# Altium PCB ad2_adapter_tt_Rev1a.PcbDoc
Units mil, origin at the board's own origin, x right, y up, seen from the top; angles counter-clockwise.
Board outline 2362.2 x 2362.2 mil, 2 copper layers (Top Layer, Bottom Layer), stack 57.918 mil thick; 24 components, 29 nets, 100 pads, 80 vias.
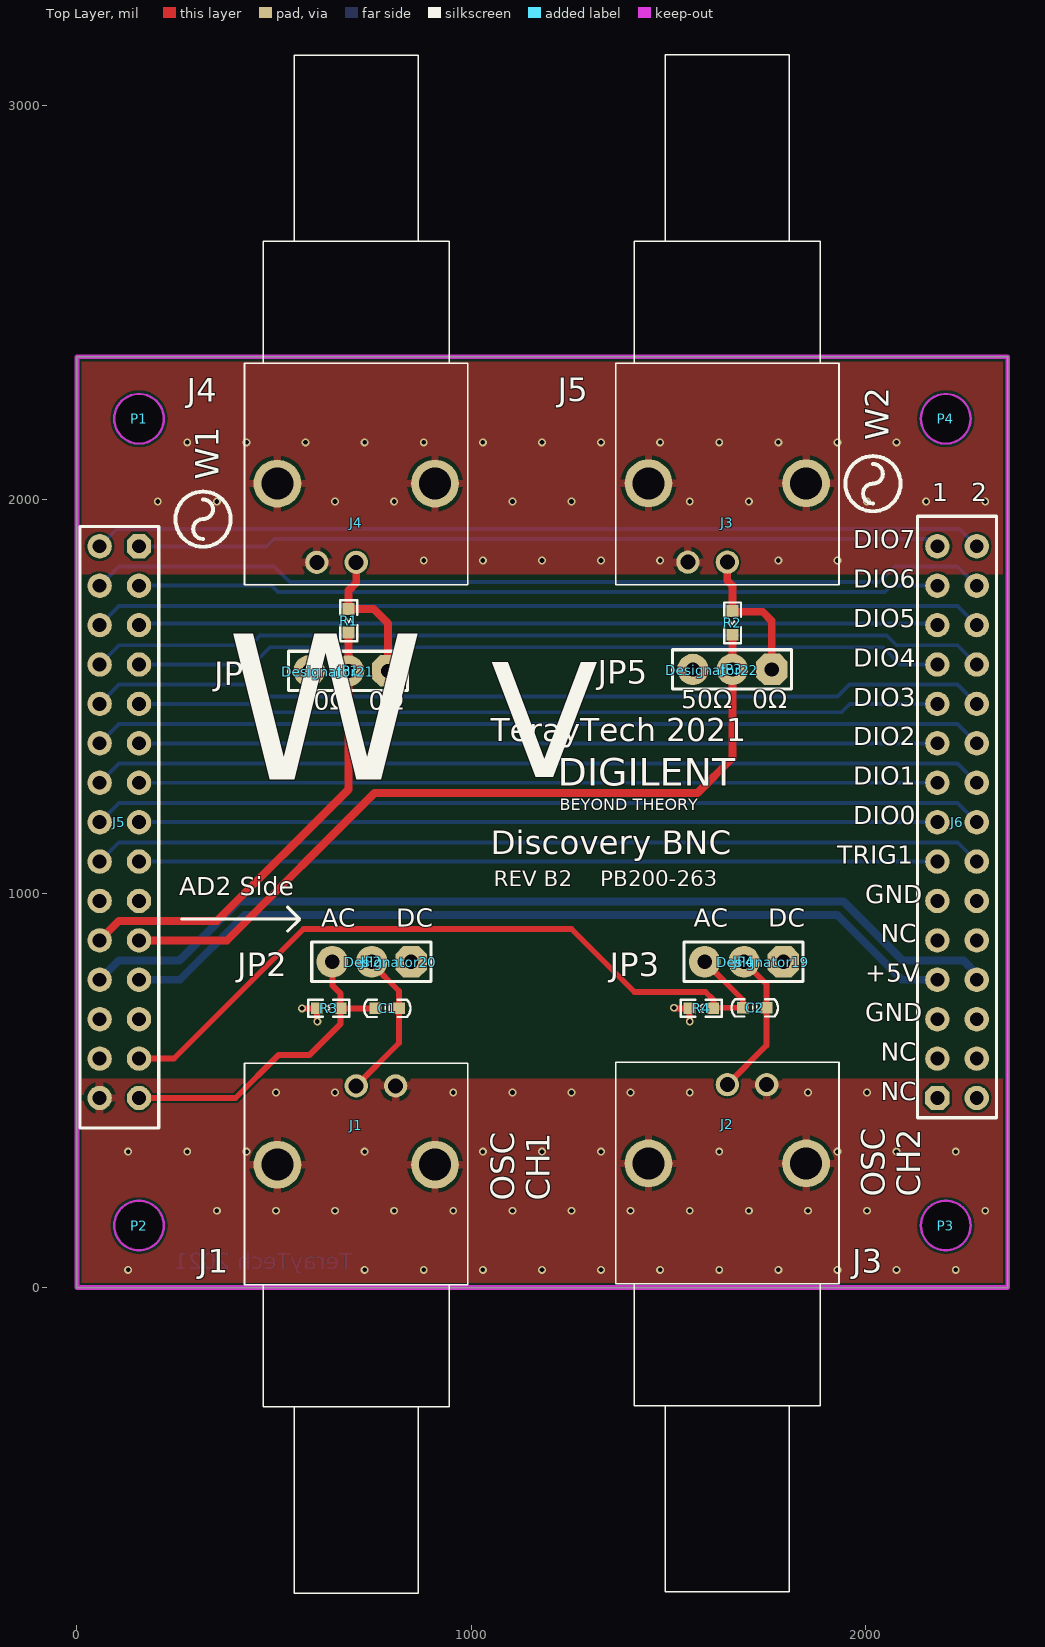
[diagram p0: Top Layer view]
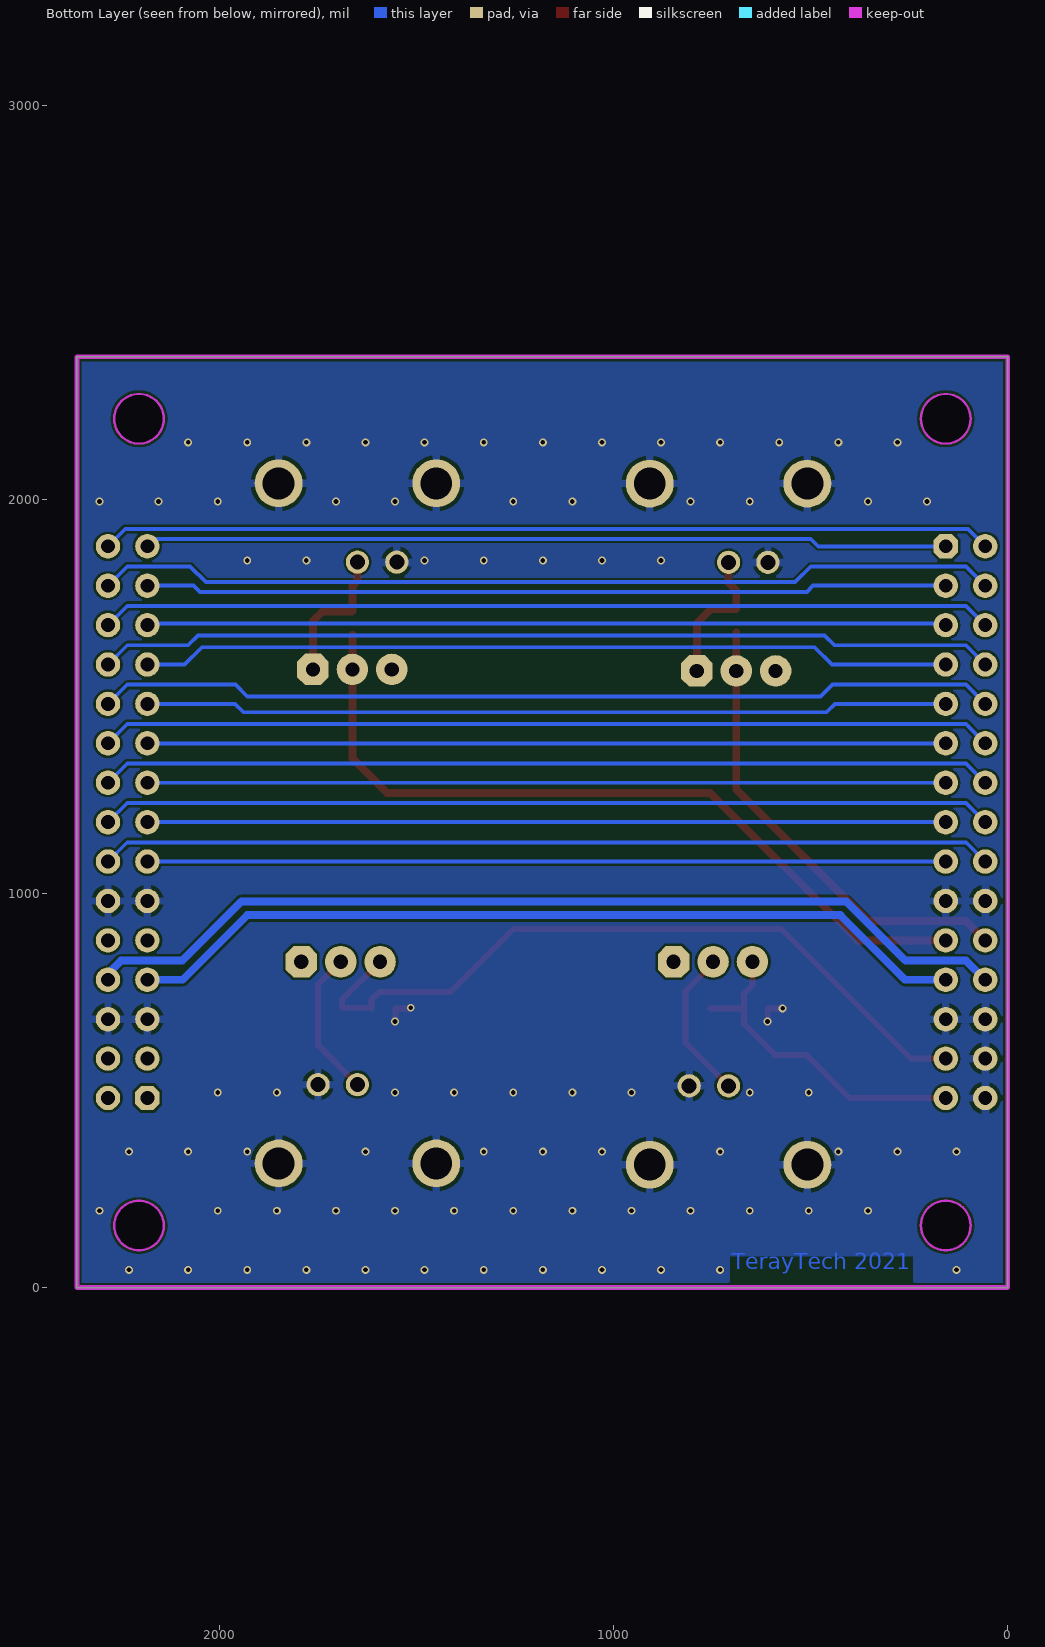
[diagram p1: Bottom Layer view, seen from below]
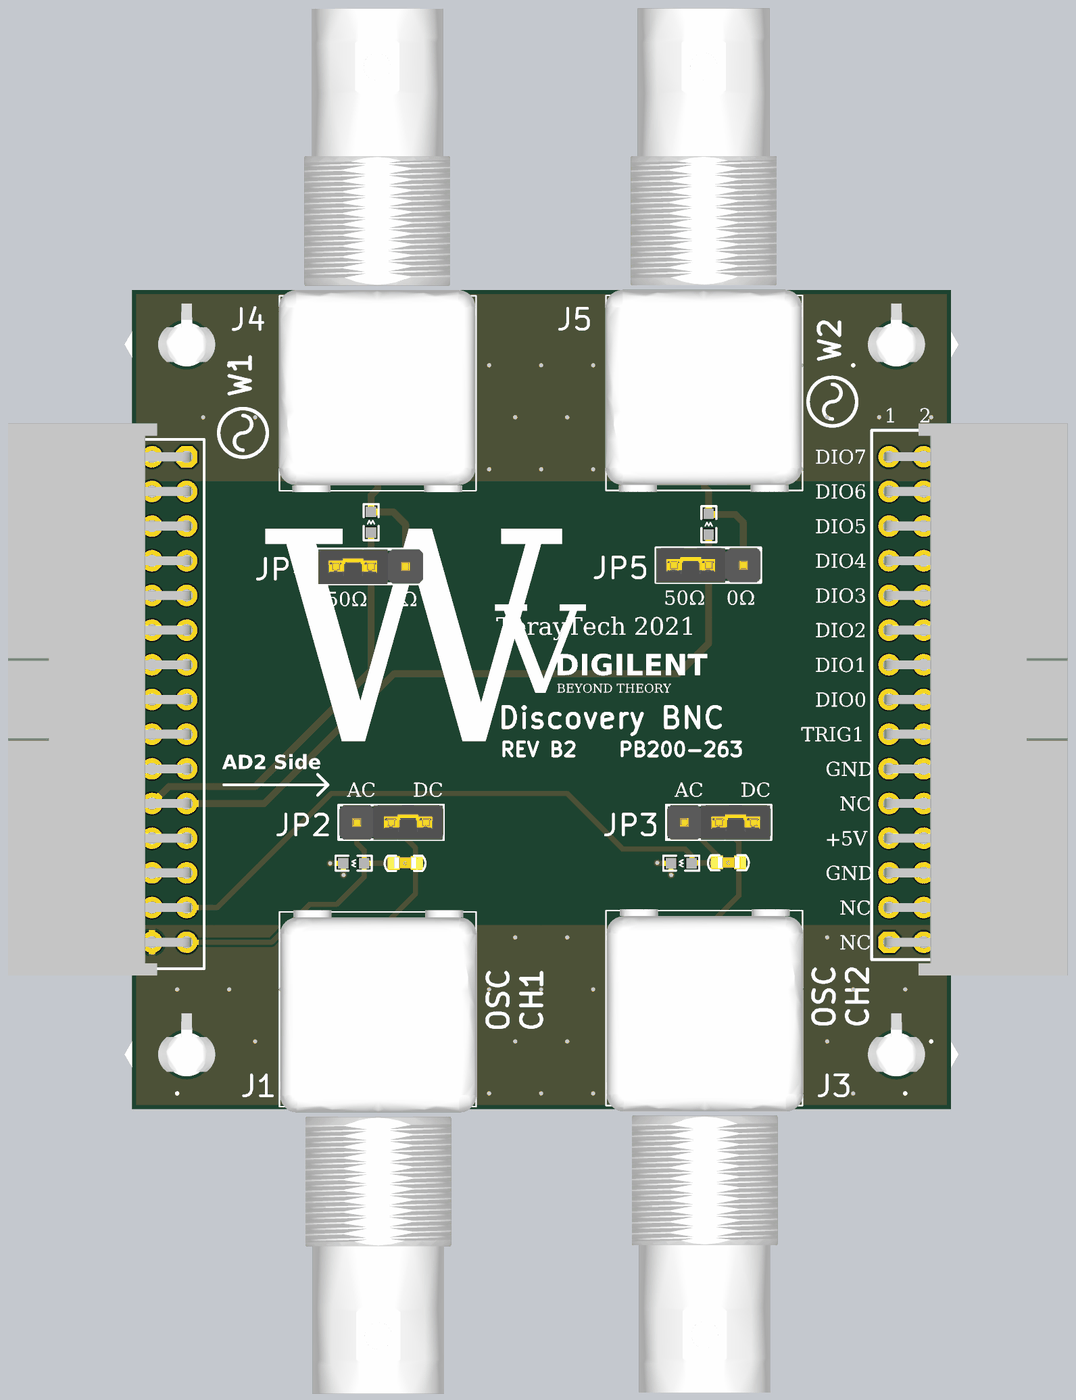
[diagram p2: 3D render of the assembled board from above, using the file's embedded part models]

## Layer stack, top to bottom
Top Solder: solder mask 0.4, Solder Resist, Dk 3.5
Top Layer: signal copper 1.4
Dielectric 1: dielectric 55.1181, FR-4, Dk 4.8
Bottom Layer: signal copper 1.4
Bottom Solder: solder mask 0.4, Solder Resist, Dk 3.5

## Board outline
0,0 0,2362.2 2362.2,2362.2 2362.2,0
cut-out: 2141.73,2204.72 ccw(c2204.72,2204.72) 2204.72,2141.73 ccw(c2204.72,2204.72) 2267.72,2204.72 ccw(c2204.72,2204.72) 2204.72,2267.72 ccw(c2204.72,2204.72)
cut-out: 2141.73,157.48 ccw(c2204.72,157.48) 2204.72,94.49 ccw(c2204.72,157.48) 2267.72,157.48 ccw(c2204.72,157.48) 2204.72,220.47 ccw(c2204.72,157.48)
cut-out: 94.49,2204.72 ccw(c157.48,2204.72) 157.48,2141.73 ccw(c157.48,2204.72) 220.47,2204.72 ccw(c157.48,2204.72) 157.48,2267.72 ccw(c157.48,2204.72)
cut-out: 94.49,157.48 ccw(c157.48,157.48) 157.48,94.49 ccw(c157.48,157.48) 220.47,157.48 ccw(c157.48,157.48) 157.48,220.47 ccw(c157.48,157.48)

## Design rules (kind name [scope] priority, off if disabled: settings)
Clearance [All] p1: gap=6 ignorepadtopadclearanceinfootprint=FALSE
ComponentClearance [All] p1 off: gap=10 collisioncheckmode=3 verticalgap=10 showdistances=FALSE
PolygonConnect via_poly [All vs Isvia] p1: connectstyle=Direct reliefconductorwidth=10 reliefentries=4 polygonreliefangle="90 Angle" airgapwidth=10
PolygonConnect [All] p2: connectstyle=Relief reliefconductorwidth=20 reliefentries=4 polygonreliefangle="90 Angle" airgapwidth=10
RoutingVias [All] p1: holewidth=28 width=50 viastyle="Through Hole" minholewidth=12 minwidth=20 maxholewidth=28 maxwidth=50
SolderMaskExpansion [All] p1: expansion=4 istentingtop=FALSE
Width [All] p1: maxlimit=50 minlimit=10 preferedwidth=10 bottomlayer_maxwidth=30 minimp=50.000000 maximp=50.000000 favimp=50.000000
29 further rules are at their usual default settings.

## Classes and differential pairs
component class adapter_rev1_tt: C1 C2 J1 J2 J3 J4 J5 J6 JP1 JP2 JP3 JP4 P1 P2 P3 P4 R1 R2 R3 R4

## Components (designator, comment, footprint, x,y, rotation, side; value= is the part's Value field where it differs from the comment)
C1 "0.1uF" 0603_C 787.4,708.66 r0 top value=104
C2 "0.1uF" 0603_C 1720,710 r0 top value=104
Designator19 "Comment" JUMPER_ONLY 1740,825 r0 top
Designator20 "Comment" JUMPER_ONLY 795,825 r0 top
Designator21 "Comment" JUMPER_ONLY 636.26,1563.03 r0 top
Designator22 "Comment" JUMPER_ONLY 1610.31,1566.77 r0 top
J1 "BNC-031-5637" 0315637 808.66,511.81 r180 top
J2 "BNC-031-5637" 0315637 1750.39,514.96 r180 top
J3 "BNC-031-5637" 0315637 1550.39,1840.98 r0 top
J4 "BNC-031-5637" 0315637 608.66,1840.39 r0 top
J5 "HEADER 15x2" HEADER15X2_CE 57.48,1881.1 r270 top
J6 "HEADER 15x2" HEADER15X2_CE 2283.46,481.1 r90 top
JP1 "SCOPE 1 Input Impedence" HEADER3 789.17,1564.8 r180 top
JP2 "SCOPE 1 DC Coupling" HEADER3 848.03,826.77 r180 top
JP3 "SCOPE 1 Input Impedence" HEADER3 1763.23,1568.54 r180 top
JP4 "SCOPE 2 DC Coupling" HEADER3 1792.91,826.77 r180 top
P1 "PLASTIC PIN" PLASTIC_PIN 157.48,2204.72 r0 top
P2 "PLASTIC PIN" PLASTIC_PIN 157.48,157.48 r0 top
P3 "PLASTIC PIN" PLASTIC_PIN 2204.72,157.48 r0 top
P4 "PLASTIC PIN" PLASTIC_PIN 2204.72,2204.72 r0 top
R1 "49.9 R0603" 0603_R 689.17,1692.28 r270 top value=1K
R2 "49.9 R0603" 0603_R 1663.23,1686.65 r270 top value=1K
R3 "27M R0603" 0603_R 639.29,708.66 r0 top value=1K
R4 "27M R0603" 0603_R 1584.17,708.66 r0 top value=1K

## Footprints (in the part's own frame and the unit in brackets; to place one, negate y for a bottom-side part, rotate by r counter-clockwise, add the part's x,y. Pads: shape width x height; smd on the part's side, far side on the other; paste and mask are expansions set on the pad)
0603_C [mil] "Capacitor"
  rect 30x30 smd: 1(-30,0) 2(30,0)
  silkscreen extent -59,-22 59,22, body extent -51,-18 52,21, height 35
0603_R [mil]
  rect 30x30 smd: 1(-30,0) 2(30,0)
  silkscreen extent -52,-21 52,22, body extent -34,-19 34,19, height 39
0315637 [mm]
  round 1.501 hole 0.965: 1(0,0) 2(2.54,0)
  round 3.085 hole 2.057: MH1(-2.54,5.08) MH2(7.62,5.08)
  silkscreen extent -4.66,-1.45 9.74,32.69, body extent -4.7,-1.56 9.7,33.85, height 12.98
HEADER3 [mil]
  oct 80x80 hole 36: 1(0,0)
  round 80 hole 36: 2(100,0) 3(200,0)
  silkscreen extent -50,-50 252,50, body extent -50,-50 250,50, height 398
HEADER15X2_CE [mil]
  oct 62x62 hole 35: 1(0,100)
  round 62 hole 35: 2(0,0) 3(100,100) 4(100,0) 5(200,100) 6(200,0) 7(300,100) 8(300,0) 9(400,100) 10(400,0) 11(500,100) 12(500,0) 13(600,100) 14(600,0) 15(700,100) 16(700,0) 17(800,100) 18(800,0) 19(900,100) 20(900,0) 21(1000,100) 22(1000,0) 23(1100,100) 24(1100,0) 25(1200,100) 26(1200,0) 27(1300,100) 28(1300,0) 29(1400,100) 30(1400,0)
  silkscreen extent -50,-50 1476,150, body extent -96,-415 1496,113, height 389
JUMPER_ONLY [mil]
  body extent -99,-49 101,51, height 344
PLASTIC_PIN [mil]
  body extent -180,-156 180,156, height 324

## Part data
C1 C2: library part CAP, "Capacitor", LatestRevisionDate=17-Jul-2002, LatestRevisionNote="Re-released for DXP Platform.", PackageReference=RAD-0.3, Published=8-Jun-2000, Publisher="Altium Limited"
J1 J2 J3 J4: "Connector", Arrow Part Number=031-5637, Manufacturer_Name=Amphenol, Mouser Part Number=523-31-5637, Arrow Price/Stock=https://www.arrow.com/en/products/031-5637/amphenol-rf, Datasheet Link=https://datasheet.datasheetarchive.com/originals/distributors/Datasheets-DGA15/760804.pdf, Manufacturer_Part_Number=031-5637, Mouser Price/Stock=https://www.mouser.co.uk/ProductDetail/Amphenol-RF/031-5637/?qs=%2FrA2Kvb8OYb4YSYQEIM5Nw%3D%3D
JP1 JP2 JP3 JP4: library part "HEADER 3"
P1 P2 P3 P4: library part PLASTIC_PIN
R1 R2 R3 R4: library part RES, "Resistor", Published=8-Jun-2000, Publisher="Altium Limited", Revision="July-2002: Re-released for DXP Platform."

## Via types
v1: diameter 20, hole 12, Top Layer to Bottom Layer, tented both sides, 80 vias

## Nets (pads, with @x,y where several pads share a name; then routed paths per layer and width w, separated by ;. In a path a pad name is that pad's centre, name@x,y a point inside that pad or via, vN(x,y) a via of type N, cw(c..) or ccw(c..) an arc to the next point about the centre after c; other vN are vias at no path point)
DIO_0: J5.15 J6.15 | length 2026
  Bottom Layer w10: J5.15 J6.15
DIO_1: J5.13 J6.17 | length 2026
  Bottom Layer w10: J5.13 J6.17
DIO_2: J5.11 J6.19 | length 2026
  Bottom Layer w10: J5.11 J6.19
DIO_3: J5.9 J6.21 | length 2043.5
  Bottom Layer w10: J5.9 438.9,1481.1 460,1460 1940,1460 1961.1,1481.1 J6.21
DIO_4: J5.7 J6.23 | length 2062.4
  Bottom Layer w10: J5.7 446.1,1581.1 490,1625 2045,1625 2088.9,1581.1 J6.23
DIO_5: J5.5 J6.25 | length 2029.2
  Bottom Layer w10: J5.5 161.38,1685 2179.57,1685 J6.25
DIO_6: J5.3 J6.27 | length 2039.3
  Bottom Layer w10: J5.3 493.9,1781.1 510,1765 2050,1765 2066.1,1781.1 J6.27
DIO_7: J5.1 J6.29 | length 2041.6
  Bottom Layer w10: J5.1 481.1,1881.1 500,1900 2164.57,1900 J6.29
DIO_8: J5.16 J6.16 | length 2266.5
  Bottom Layer w10: J5.16 106.38,1230 2234.57,1230 J6.16
DIO_9: J5.14 J6.18 | length 2266.5
  Bottom Layer w10: J5.14 106.38,1330 2234.57,1330 J6.18
DIO_10: J5.12 J6.20 | length 2266.5
  Bottom Layer w10: J5.12 106.38,1430 2234.57,1430 J6.20
DIO_11: J5.10 J6.22 | length 2291.3
  Bottom Layer w10: J5.10 106.38,1530 445,1530 475,1500 1930,1500 1960,1530 2234.57,1530 J6.22
DIO_12: J5.8 J6.24 | length 2287.2
  Bottom Layer w10: J5.8 106.38,1630 440,1630 465,1655 2055,1655 2080,1630 2234.57,1630 J6.24
DIO_13: J5.6 J6.26 | length 2266.5
  Bottom Layer w10: J5.6 106.38,1730 2234.57,1730 J6.26
DIO_14: J5.4 J6.28 | length 2299.6
  Bottom Layer w10: J5.4 106.38,1830 500,1830 540,1790 2035,1790 2075,1830 2234.57,1830 J6.28
DIO_15: J5.2 J6.30 | length 2262.4
  Bottom Layer w10: J5.2 101.38,1925 2239.57,1925 J6.30
GND: J1.1 J1.MH1 J1.MH2 J2.1 J2.MH1 J2.MH2 J3.1 J3.MH1 J3.MH2 J4.1 J4.MH1 J4.MH2 J5.19 J5.20 J5.25 J5.26 J5.28 J5.30 J6.5 J6.6 J6.11 J6.12 R3.1 R4.1 | length 145.6
  Top Layer w15: v1(571.34,708.66) R3.1 609.29,675.71 v1(610,675) ; v1(1515,710) 1516.34,708.66 R4.1 1554.17,675.83 v1(1555,675)
  other v1: 130,45 730,45 880,45 1030,45 1180,45 1330,45 1480,45 1630,45 1780,45 1930,45 2080,45 2230,45 355,195 505,195 655,195 805,195 955,195 1105,195 1255,195 1405,195 1555,195 1705,195 1855,195 2005,195 2305,195 130,345 280,345 430,345 730,345 1030,345 1180,345 1330,345 1630,345 1930,345 2080,345 2230,345 505,495 655,495 955,495 1105,495 1255,495 1405,495 1555,495 1855,495 2005,495 880,1845 1030,1845 1180,1845 1330,1845 1480,1845 1780,1845 1930,1845 205,1995 355,1995 655,1995 805,1995 1105,1995 1255,1995 1555,1995 1705,1995 2005,1995 2155,1995 2305,1995 280,2145 430,2145 580,2145 730,2145 880,2145 1030,2145 1180,2145 1330,2145 1480,2145 1630,2145 1780,2145 1930,2145 2080,2145
NetC1_2: C1.2 J1.2 JP2.2 | length 388.7
  Top Layer w15: J1.2 817.4,620.55 C1.2 817.4,752.6 748.03,821.97 JP2.2
NetC2_2: C2.2 J2.2 JP4.2 | length 376.7
  Top Layer w15: J2.2 1750,614.57 C2.2 1750,769.69 JP4.2
NetJ3_2: J3.2 JP3.1 R2.1 | length 363.2
  Top Layer w20: J3.2 1650.39,1794.61 1663.23,1781.77 R2.1 1664.88,1715 1740,1715 1763.23,1691.77 JP3.1
NetJ4_2: J4.2 JP1.1 R1.1 | length 362.3
  Top Layer w20: J4.2 708.66,1788.66 689.17,1769.17 R1.1 752.72,1722.28 789.17,1685.83 JP1.1
TRIG_1: J5.17 J6.13 | length 2026
  Bottom Layer w10: J5.17 J6.13
TRIG_2: J5.18 J6.14 | length 2266.5
  Bottom Layer w10: J5.18 106.38,1130 2234.57,1130 J6.14
VIN_SC1_P: C1.1 J5.29 JP2.3 R3.2 | length 842.3
  Top Layer w15: J5.29 402.36,481.1 511.81,590.55 590.55,590.55 669.29,669.29 R3.2 ; JP2.3 648.03,766.97 669.29,745.71 R3.2 ; C1.1@755,710 753.66,708.66 R3.2
VIN_SC2_P: C2.1 J5.27 JP4.3 R4.2 | length 1922.2
  Top Layer w15: J5.27 246.1,581.1 575,910 1255,910 1415,750 1595,750 1615,730 R4.2@1615,709.49 ; JP4.3 1690,729.69 C2.1 1615.51,710 R4.2@1615,709.49 ; R4.2 R4.2@1615,709.49
VOUT5V0_USR: J5.23 J6.7 | length 2161.8
  Bottom Layer w20: J5.23 261.1,781.1 425,945 1930,945 2093.9,781.1 J6.7
VOUT-5V0_USR: J5.24 J6.8 | length 2399.8
  Bottom Layer w20: J5.24 106.38,830 260,830 410,980 1945,980 2095,830 2250,830 2283.46,796.54 J6.8
VOUT_AWG1: J5.21 JP3.2 R2.2 | length 2010.6
  Top Layer w20: J5.21 381.1,881.1 755,1255 1575,1255 1663.23,1343.23 JP3.2 R2.2
VOUT_AWG2: J5.22 JP1.2 R1.2 | length 1188.5
  Top Layer w20: J5.22 106.38,930 355,930 689.17,1264.17 JP1.2 R1.2
pads on no net: J6.1 J6.2 J6.3 J6.4 J6.9 J6.10 JP1.3 JP2.1 JP3.3 JP4.1

## Polygon pours and split planes (outlines as drawn)
GND on Top Layer "GND_L01_P002" (solid, pour order 2): 2360,0 -5,0 -5,530 2360,530
GND on Top Layer "GND_L01_P001" (solid, pour order 1): 0,2360 2365,2360 2365,1810 0,1810
GND on Bottom Layer "GND_L02_P000" (solid, remove dead copper, pour order 0): 0,2362.2 2365,2362.2 2365,0 0,0

## Keep-outs
Keep-Out Layer:
  circle w6: c2204.72,157.48 r62.99
  circle w6: c2204.72,2204.72 r62.99
  circle w6: c157.48,157.48 r62.99
  circle w6: c157.48,2204.72 r62.99
  lines w12: 0,0 2362.2,0 2362.2,2362.2 0,2362.2 0,0

## Other copper
Bottom Layer:
  text "TerayTech 2021" at 700,32.15 h70

## Silkscreen, mask and mechanical layers (free items; w line width, h text height)
Top Overlay:
  circle w10: c2020,2040 r70
  circle w10: c320,1950 r70
  lines w8: 265,935 565,935 ; 535,905 565,935 ; 535,965 565,935
  lines w10: 320,1900 cw(c320,1925) 295,1925 cw(c320,1925) 320,1950 ccw(c320,1975) 345,1975 ccw(c320,1975) 320,2000 ; 2020,1990 cw(c2020,2015) 1995,2015 cw(c2020,2015) 2020,2040 ccw(c2020,2065) 2045,2065 ccw(c2020,2065) 2020,2090
  text "J5" at 1219.73,2248.59 h60
  text "J4" at 278,2248 h60
  text "W2" at 2060,2150 h60 r90
  text "W1" at 360,2050 h60 r90
  text "1" at 2170,1980 h80
  text "2" at 2270,1980 h80
  text "DIO7" at 1970,1860.61 h80
  text "DIO6" at 1970,1760.61 h80
  text "DIO5" at 1970,1660.61 h80
  text "DIO4" at 1970,1560.61 h80
  text "JP5" at 1322.06,1531.74 h60
  text "JP4" at 348,1528 h60
  text "DIO3" at 1970,1460.61 h80
  text "50Ω" at 1534.06,1454.35 h80
  text "0Ω" at 1714.06,1454.35 h80
  text "50Ω" at 560,1450.61 h80
  text "0Ω" at 740,1450.61 h80
  text "TerayTech 2021" at 1050,1367.35 h100
  text "DIO2" at 1970,1360.61 h80
  text "DIO1" at 1970,1260.61 h80
  text "DIGILENT" at 1220,1251.17 h120
  text "BEYOND THEORY" at 1225,1200.8 h50
  text "V" at 1050,1200 h500
  text "DIO0" at 1970,1160.61 h80
  text "Discovery BNC" at 1050,1099.99 h60
  text "TRIG1" at 1930,1060.61 h80
  text "W" at 380,1060 h1200
  text "REV B2    PB200-263" at 1058,1018 h40
  text "AD2 Side" at 260,980.78 h80
  text "GND" at 2000,960.61 h80
  text "AC" at 620,900.55 h80
  text "DC" at 810,900.55 h80
  text "AC" at 1564.88,900.55 h80
  text "DC" at 1754.88,900.55 h80
  text "NC" at 2040,860.55 h80
  text "JP2" at 406.86,789.97 h60
  text "JP3" at 1351.74,789.97 h60
  text "+5V" at 2000,760.61 h80
  text "GND" at 2000,660.61 h80
  text "NC" at 2040,560.55 h80
  text "NC" at 2040,460.55 h80
  text "OSC / CH2" at 2140,230 h60 r90
  text "OSC / CH1" at 1200,220 h60 r90
  text "J1" at 308,38 h60
  text "J3" at 1968,38 h60